# Altium PCB Interface_Card_for_GaN_Inverter.PcbDoc (part 1 of 2) (continued)
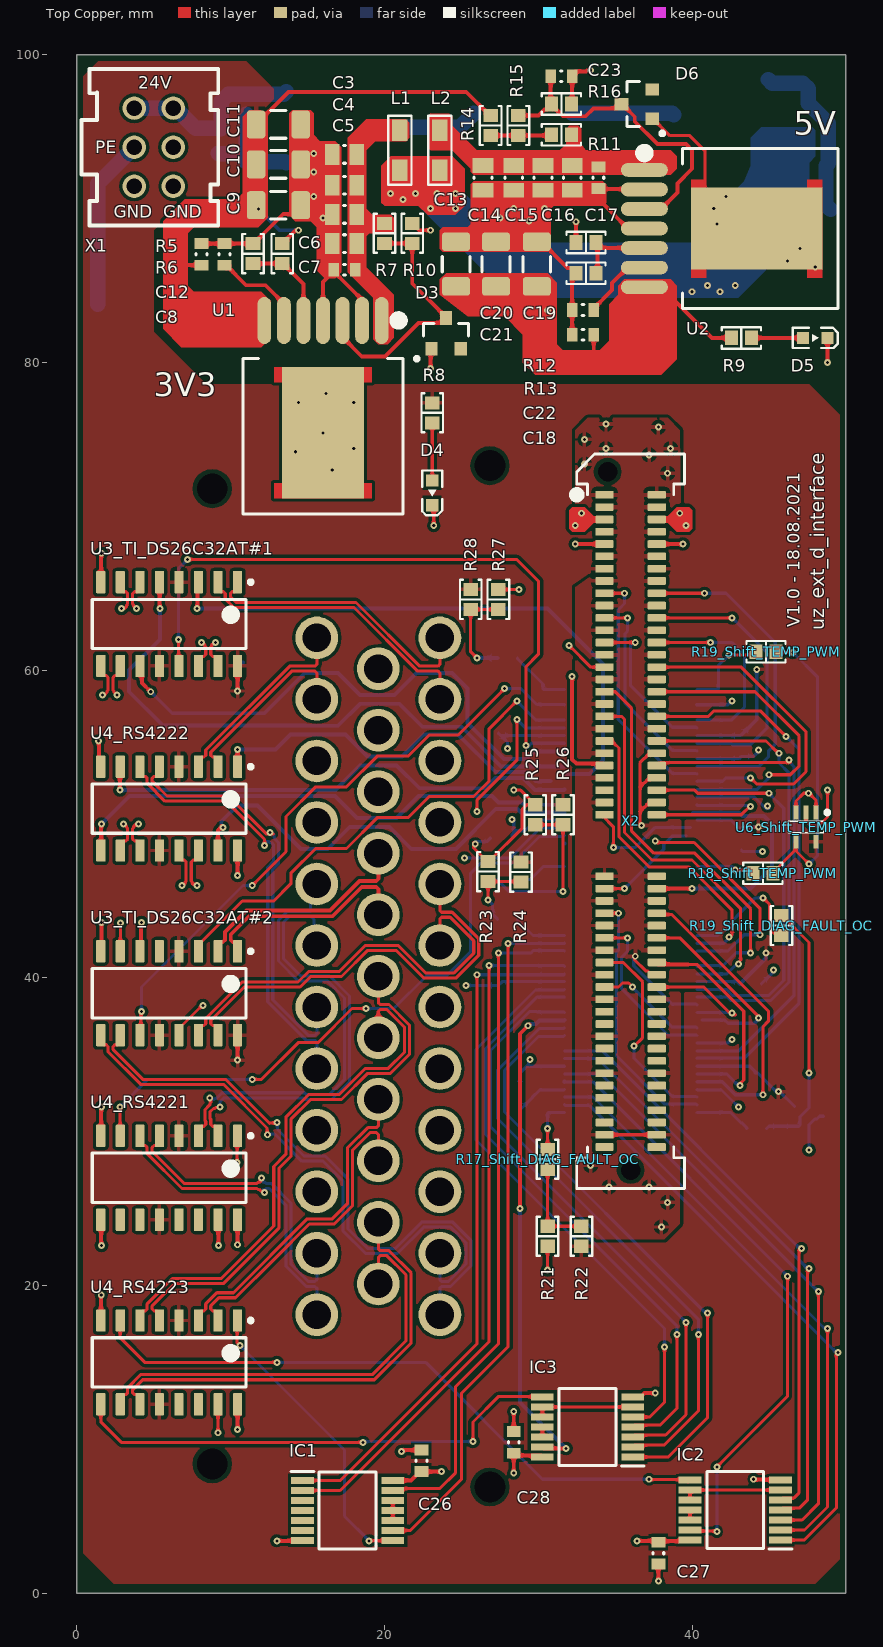
[diagram p0: Top Copper view]
## Footprints (in the part's own frame and the unit in brackets; to place one, negate y for a bottom-side part, rotate by r counter-clockwise, add the part's x,y. Pads: shape width x height; smd on the part's side, far side on the other; paste and mask are expansions set on the pad) (continued)
ATPAK_ONSC [mm] "DPAK, 3-Leads, Body 7.3x6.5mm, Pitch 2.3mm"
  rect 1.6x1.5 smd: 1(-6.15,2.3) 3(-6.15,-2.3)
  rect 6.7x6.5 smd: 4(0,0)
  silkscreen extent -7.62,-3.25 -3.75,3.25, body extent -4.45,-3.25 2.85,3.25, height 1.77
C_0603 [mm] "Chip Capacitor, Body 1.6x0.8mm, Height 1.0mm, IPC High Density"
  rect 0.7x0.9 smd: 1(-0.7,0) 2(0.7,0)
  silkscreen extent -0.05,-0.35 0.05,0.35, body extent -0.87,-0.47 0.88,0.48, height 1
C_1206 [mm]
  rrect33% 1.21x1.82 smd: 1(1.45,0) 2(-1.45,0)
  silkscreen extent -0.5,-0.9 0.5,0.9, body extent -1.6,-0.81 1.6,0.81, height 1.82
CAPC_0805_L [mm] "Chip Capacitor, Body 2.0x1.2mm, Height 1.45mm, IPC High Density"
  rect 0.95x1.35 smd: 1(-0.8,0) 2(0.8,0)
  silkscreen extent -0.05,-0.58 0.05,0.58, body extent -1.1,-0.72 1.1,0.72, height 1.45
DIOM5436X244N [mm]
  rect 2.2x2.15 smd: 1(-2.2,0) 2(2.2,0)
  silkscreen extent -3.27,-1.81 2.7,1.81, body extent -2.7,-1.81 2.7,1.81, height 2.44
HTEC8-150-XX-X-DV [mm]
  rrect30% 0.5x1.2 smd mask+0.05: 1(-21.2,-1.7) 2(-21.2,1.7) 3(-20.4,-1.7) 4(-20.4,1.7) 5(-19.6,-1.7) 6(-19.6,1.7) 7(-18.8,-1.7) 8(-18.8,1.7) 9(-18,-1.7) 10(-18,1.7) 11(-17.2,-1.7) 12(-17.2,1.7) 13(-16.4,-1.7) 14(-16.4,1.7) 15(-15.6,-1.7) 16(-15.6,1.7) 17(-14.8,-1.7) 18(-14.8,1.7) 19(-14,-1.7) 20(-14,1.7) 21(-13.2,-1.7) 22(-13.2,1.7) 23(-12.4,-1.7) 24(-12.4,1.7) 25(-11.6,-1.7) 26(-11.6,1.7) 27(-10.8,-1.7) 28(-10.8,1.7) 29(-10,-1.7) 30(-10,1.7) 31(-9.2,-1.7) 32(-9.2,1.7) 33(-8.4,-1.7) 34(-8.4,1.7) 35(-7.6,-1.7) 36(-7.6,1.7) 37(-6.8,-1.7) 38(-6.8,1.7) 39(-6,-1.7) 40(-6,1.7) 41(-5.2,-1.7) 42(-5.2,1.7) 43(-4.4,-1.7) 44(-4.4,1.7) 45(-3.6,-1.7) 46(-3.6,1.7) 47(-2.8,-1.7) 48(-2.8,1.7) 49(-2,-1.7) 50(-2,1.7) 51(-1.2,-1.7) 52(-1.2,1.7) 53(-0.4,-1.7) 54(-0.4,1.7) 55(3.6,-1.7) 56(3.6,1.7) 57(4.4,-1.7) 58(4.4,1.7) 59(5.2,-1.7) 60(5.2,1.7) 61(6,-1.7) 62(6,1.7) 63(6.8,-1.7) 64(6.8,1.7) 65(7.6,-1.7) 66(7.6,1.7) 67(8.4,-1.7) 68(8.4,1.7) 69(9.2,-1.7) 70(9.2,1.7) 71(10,-1.7) 72(10,1.7) 73(10.8,-1.7) 74(10.8,1.7) 75(11.6,-1.7) 76(11.6,1.7) 77(12.4,-1.7) 78(12.4,1.7) 79(13.2,-1.7) 80(13.2,1.7) 81(14,-1.7) 82(14,1.7) 83(14.8,-1.7) 84(14.8,1.7) 85(15.6,-1.7) 86(15.6,1.7) 87(16.4,-1.7) 88(16.4,1.7) 89(17.2,-1.7) 90(17.2,1.7) 91(18,-1.7) 92(18,1.7) 93(18.8,-1.7) 94(18.8,1.7) 95(19.6,-1.7) 96(19.6,1.7) 97(20.4,-1.7) 98(20.4,1.7) 99(21.2,-1.7) 100(21.2,1.7)
  round 0 hole 1.27 unplated: MH1(-22.7,-1.5) MH2(22.7,0)
  silkscreen extent -23.85,-3.75 23.9,3.5, body extent -23.9,-3.5 23.9,3.5, height 8
IPL1-103-01-L-D-K [mil]
  round 60 hole 40 mask+3: 1(-100,50) 2(0,50) 3(100,50) 4(-100,-50) 5(0,-50) 6(100,-50)
  silkscreen extent -200,-185 200,165, body extent -180,-165 180,145, height 320
Littlefuse_154 [mm]
  rect 4.24x3.81 smd: 1(0,0) 2(6.4,0)
  silkscreen extent 3.17,-1.91 3.17,1.91, body extent -1.66,-2.49 8.04,2.51, height 3.71
"RES 0603_1608" [mm] "Chip Resistor, 2-Leads, Body 1.60x0.80mm, IPC Medium Density"
  rect 0.85x0.95 smd: 1(-0.65,0) 2(0.65,0)
  silkscreen extent -1.27,-0.7 1.27,0.7, body extent -0.8,-0.4 0.8,0.4, height 0.45
SOP65P640X120-14N [mm]
  rect 1.475x0.45 smd: 1(-2.938,1.95) 2(-2.938,1.3) 3(-2.938,0.65) 4(-2.938,0) 5(-2.938,-0.65) 6(-2.938,-1.3) 7(-2.938,-1.95) 8(2.938,-1.95) 9(2.938,-1.3) 10(2.938,-0.65) 11(2.938,0) 12(2.938,0.65) 13(2.938,1.3) 14(2.938,1.95)
  silkscreen extent -3.67,-2.5 1.85,2.52, body extent -3.2,-2.5 3.2,2.5, height 1.2
SOT353-1_N [mm]
  rect 0.9x0.35 smd: 1(-0.95,0.65) 2(-0.95,0) 3(-0.95,-0.65) 4(0.95,-0.65) 5(0.95,0.65)
  silkscreen extent -1.08,-1.14 0.38,1.5, body extent -0.67,-1.12 0.67,1.13, height 1.1
SOT-23-3_ONSC [mm] "SOT23, 3-Leads, Body 2.92x1.3mm, Pitch 0.95mm"
  rect 0.9x0.8 smd: 1(-1,0.95) 2(-1,-0.95) 3(1,0)
  silkscreen extent -1.77,-1.46 0.65,2.03, body extent -0.65,-1.46 0.65,1.46, height 1.11
TI_D-R-PDSO-G16_N [mm] "SOIC, 16-Leads, Body 10x4mm, Pitch 1.27mm, IPC Medium Density"
  rrect17% 1.45x0.6 smd: 1(-2.725,4.445) 2(-2.725,3.175) 3(-2.725,1.905) 4(-2.725,0.635) 5(-2.725,-0.635) 6(-2.725,-1.905) 7(-2.725,-3.175) 8(-2.725,-4.445) 9(2.725,-4.445) 10(2.725,-3.175) 11(2.725,-1.905) 12(2.725,-0.635) 13(2.725,0.635) 14(2.725,1.905) 15(2.725,3.175) 16(2.725,4.445)
  silkscreen extent -2.85,-5 1.6,5.42, body extent -3,-4.95 3,4.95, height 1.59
TI_DGG-R-PDSO-G48N [mm]
  rect 3x0.28 smd mask+0.05: 1(-4.3,5.75) 2(-4.3,5.25) 3(-4.3,4.75) 4(-4.3,4.25) 5(-4.3,3.75) 6(-4.3,3.25) 7(-4.3,2.75) 8(-4.3,2.25) 9(-4.3,1.75) 10(-4.3,1.25) 11(-4.3,0.75) 12(-4.3,0.25) 13(-4.3,-0.25) 14(-4.3,-0.75) 15(-4.3,-1.25) 16(-4.3,-1.75) 17(-4.3,-2.25) 18(-4.3,-2.75) 19(-4.3,-3.25) 20(-4.3,-3.75) 21(-4.3,-4.25) 22(-4.3,-4.75) 23(-4.3,-5.25) 24(-4.3,-5.75) 25(4.3,-5.75) 26(4.3,-5.25) 27(4.3,-4.75) 28(4.3,-4.25) 29(4.3,-3.75) 30(4.3,-3.25) 31(4.3,-2.75) 32(4.3,-2.25) 33(4.3,-1.75) 34(4.3,-1.25) 35(4.3,-0.75) 36(4.3,-0.25) 37(4.3,0.25) 38(4.3,0.75) 39(4.3,1.25) 40(4.3,1.75) 41(4.3,2.25) 42(4.3,2.75) 43(4.3,3.25) 44(4.3,3.75) 45(4.3,4.25) 46(4.3,4.75) 47(4.3,5.25)
  rect 3x0.28 smd paste+0 mask+0.05: 48(4.3,5.75)
  silkscreen extent -4.52,-6.25 2.4,6.25, body extent -4.05,-6.25 4.05,6.25, height 1.2
"WE-CBF_0805_High Current" [mm] "SMD EMI Suppression Ferrite  Bead, body 2.0mmx1.2mm"
  rect 1.4x1 smd: 1(-1.3,0) 2(1.3,0)
  silkscreen extent -2.25,-0.75 2.25,0.75, body extent -1,-0.6 1,0.6, height 0.93
WL-SMCW_0603 [mm] "SMD Mono-color Chip LED, body 1.6x0.8mm"
  rect 0.8x0.8 smd: 1(-0.8,0) 2(0.8,0)
  silkscreen extent -1.45,-0.65 1.45,0.65, body extent -0.8,-0.4 0.8,0.4, height 0.7

## Part data
C1 C3 C4 C5 C6 C13 C14 C15 C16: library part GRM21BR6YA106KE43L, "Capacitor 0805, 35 VDC, 10 µF, X5R", Device Package=0805, Manufacturer=muRata, Operating Temperature="-55 - 85°C", Supplier Part Number 1=81-GRM21BR6YA106KE3L, Tolerance="10 %", Voltage Rating="35 VDC", ComponentLink1Description=Datasheet, ComponentLink1URL=https://www.mouser.de/datasheet/2/281/murata_03052018_GRM_Series_1-1310166.pdf, Component Type="Capacitor 0805", Created from=MGremer, Created On="20 Dec 2020 13:54:13", Last Updated="20 Dec 2020 17:44:37", Live Cycle Status=1, Manufacturer Part Number=GRM21BR6YA106KE43L, Mounting Type=SMD, PartID=28, Series=GRM, Stock number="Labor SMD Container", Supplier 1=Mouser, Type=Capacitor
C2 C7 C17 C23 C24_TI_DS26C32AT#1 C24_TI_DS26C32AT#2 C25_RS4221 C25_RS4222 C25_RS4223 C26 C27 C28 C29_Shift_DIAG_FAULT_OC C29_Shift_TEMP_PWM C30_Shift_DIAG_FAULT_OC C30_Shift_TEMP_PWM C31_Shift_DIAG_FAULT_OC C31_Shift_TEMP_PWM C32_Shift_DIAG_FAULT_OC C32_Shift_TEMP_PWM: library part C0603X104K5RAC7411, "Capacitor 0603, 50 VDC, 0.1 µF, X7R", Device Package=0603, LCSC Part Number=C14663, Manufacturer=KEMET, Operating Temperature="-55 - 125°C", Supplier Part Number 1=80-C0603X104K5R7411, Tolerance="10 %", Voltage Rating="50 VDC", Component Type="Capacitor 0603", ComponentLink1Description=Datasheet, ComponentLink1URL=https://www.mouser.de/datasheet/2/212/1/KEM_C1013_X7R_FT_CAP_SMD-1103280.pdf, Created from=MGremer, Live Cycle Status=1, Manufacturer Part Number=C0603X104K5RAC7411, Mounting Type=SMD, PartID=3, Series="SMD Comm X7R Flex", Stock number="Labor SMD Container", Supplier 1=Mouser, Supplier 2=LCSC, Supplier Part Number 2=C14663, Type=Capacitor
  C2 C23 C24_TI_DS26C32AT#1 C24_TI_DS26C32AT#2: Created On="20 Dec 2020 13:54:13", Last Updated="4 Mar 2021 09:24:28"
  C7 C17 C25_RS4221 C25_RS4222 C25_RS4223 C26 C27 C28 C29_Shift_DIAG_FAULT_OC C29_Shift_TEMP_PWM C30_Shift_DIAG_FAULT_OC C30_Shift_TEMP_PWM C31_Shift_DIAG_FAULT_OC C31_Shift_TEMP_PWM C32_Shift_DIAG_FAULT_OC C32_Shift_TEMP_PWM: Created On="20.12.2020 13:54:13", Last Updated="04.03.2021 09:24:28"
C8 C18: library part C0603C474K4RAC, "Capacitor 0603, 16 VDC, 470 nF, X5R", Device Package=0603, Manufacturer=KEMET, Operating Temperature="-55 - 125°C", Supplier Part Number 1=80-C0603C474K4RAC, Tolerance="10 %", Voltage Rating="16 VDC", ComponentLink1Description=Datasheet, ComponentLink1URL=https://www.mouser.de/datasheet/2/212/KEM_C1006_X5R_SMD-1103249.pdf, Component Type="Capacitor 0603", Created from=MGremer, Created On="20 Dec 2020 13:54:13", Last Updated="6 Jan 2021 08:39:36", Live Cycle Status=1, Manufacturer Part Number=C0603C474K4RAC, Mounting Type=SMD, PartID=31, Series="SMD Comm X7R", Stock number="Labor SMD Container", Supplier 1=Mouser, Type=Capacitor
C9 C10 C11 C19 C20 C21: library part GRM31CR60J107KE39K, "Capacitor 1206, 6.3 VDC, 100 µF, X5R", Device Package=1206, Manufacturer="Murata Electronics", Operating Temperature="-55 - 85°C", Supplier Part Number 1=81-GRM31CR60J107KE9K, Tolerance="10 %", Voltage Rating="6.3 VDC", ComponentLink1Description=Datasheet, ComponentLink1URL=https://www.mouser.de/datasheet/2/281/murata_03052018_GRM_Series_1-1310166.pdf, Component Type="Capacitor 1206", Created from=MGremer, Created On="20.12.2020 13:54:13", Last Updated="20.12.2020 16:34:30", Live Cycle Status=1, Manufacturer Part Number=GRM31CR60J107KE39K, Mounting Type=SMD, PartID=64, Series=GRM, Stock number="Labor SMD Container", Supplier 1=Mouser, Type=Capacitor
C12 C22: library part 885012206048, "Capacitor 0603, 16 VDC, 220 nF, X7R", Device Package=0603, Manufacturer="Wurth Elektronik", Operating Temperature="-55 - 125°C", Supplier Part Number 1=2507331, Tolerance="10 %", Voltage Rating="16 VDC", ComponentLink1Description=Datasheet, ComponentLink1URL=http://www.farnell.com/datasheets/1995922.pdf, Component Type="Capacitor 0603", Created from=MGremer, Created On="20 Dec 2020 13:54:13", Last Updated="20 Jan 2021 13:57:36", Live Cycle Status=1, Manufacturer Part Number=885012206048, Mounting Type=SMD, PartID=59, Series="WCAP-CSGP Series", Stock number="not stored", Supplier 1=Farnell, Type=Capacitor
C33 C34: library part 885342008009, "Capacitor 1206, 1 kVDC, 100 pF, C0G", Device Package=1206, Manufacturer="Wuerth Elektronik", Operating Temperature="-55 - 125°C", Supplier Part Number 1=710-885342008009, Tolerance="5 %", Voltage Rating="1 kVDC", ComponentLink1Description=Datasheet, ComponentLink1URL=https://www.mouser.de/datasheet/2/445/885342008009-1727900.pdf, Component Type="Capacitor 1206", Created from=MGremer, Created On="20.12.2020 13:54:13", Last Updated="20.12.2020 17:44:37", Live Cycle Status=1, Manufacturer Part Number=885342008009, Mounting Type=SMD, PartID=62, Series=WCAP-CSMH, Stock number="Labor SMD Container", Supplier 1=Mouser, Type=Capacitor
D1: "Zener Diode, 15 V, 0.35 W", Device Package=SOT-23-3, Manufacturer="On Semiconductor", Operating Temperature="-55 - 150 °C", Power loss="350 mW", Supplier Part Number 1=512-BZX84C15, ComponentLink1Description=Datasheet, ComponentLink1URL=https://www.mouser.de/datasheet/2/308/BZX84C15-1118669.pdf, Component Type="Zener Diode", Created from=MGremer, Created On="6 Jan 2021 09:28:59", Last Updated="6 Jan 2021 09:31:42", Live Cycle Status=1, Manufacturer Part Number=BZX84C15, Mounting Type=SMD, PartID=2, Series=BZX84C15, Stock number="not stored", Supplier 1=Mouser, Type="Zener Diode", Zener Impedance="30 Ohm"
D2: "TVS Diode 30V 600W SMB unidirectional / ESD suppressor", Device Package=DO-214AA-2, Manufacturer="ON Semiconductor / Fairchild", Operating Temperature="-55 - 150°C", Supplier Part Number 1=512-SMBJ30A, ComponentLink1Description=Datasheet, ComponentLink1URL=https://www.mouser.de/datasheet/2/308/SMBJ30A-1297653.pdf, Component Type="TVS Diode", Created from=PBaumann, Created On="05.03.2021 11:12:07", Last Updated="05.03.2021 11:15:51", Live Cycle Status=1, Manufacturer Part Number=SMBJ30A, Mounting Type=SMD, PartID=3, Series=SMBJ, Supplier 1=Mouser, Type=TVS-Diode
D3 D6: library part BZX84C5V1-E3-08, "Zener Diode, 5.1 V, 0.35 W, 5 %", Device Package=SOT-23-3, Manufacturer="Vishay Semiconductors", Operating Temperature="-55 - 150 °C", Power loss="300 mW", Supplier Part Number 1=78-BZX84C5V1-E3-08, ComponentLink1Description=Datasheet, ComponentLink1URL=https://www.mouser.de/datasheet/2/427/bzx84v-1767730.pdf, Component Type="Zener Diode", Created from=MGremer, Created On="6 Jan 2021 09:28:59", Last Updated="6 Jan 2021 09:31:42", Live Cycle Status=1, Manufacturer Part Number=BZX84C5V1-E3-08, Mounting Type=SMD, PartID=1, Series=BZX84, Stock number="not stored", Supplier 1=Mouser, Type="Zener Diode", Zener Impedance="60 Ohm"
D4: "WL-SMCW SMD Mono-color Chip LED Waterclear Red", Color=red, Device Package=0603, Forward Current I_f="20 mA", Forward Voltage U_f="2 V", Manufacturer="Wuerth Elektronik", Nominal Power="48 mW", Operating Temperature="-40 - 85 °C", Supplier Part Number 1=710-150060RS86000, ComponentLink1Description=Datasheet, ComponentLink1URL=https://www.mouser.de/datasheet/2/445/150120RS75000-1714636.pdf, Component Type="LED Diode", Created from=MGremer, Created On="8 Dec 2020 10:48:12", Last Updated="3 Mar 2021 09:59:52", Light Intensity="800 mcd", Live Cycle Status=1, Manufacturer Part Number=150060RS86000, Mounting Type=SMD, PartID=3, Stock number="not stored", Supplier 1=Mouser, Supplier 2=Farnell, Supplier 3=Digi-Key, Supplier Part Number 2=3408608, Supplier Part Number 3=732-150060RS86000CT-ND, Type=Standard, Wavelength="624 nm"
D5: "WL-SMCW SMD Mono-color Chip LED Waterclear Blue", Color=blue, Device Package=0603, Forward Current I_f="20 mA", Forward Voltage U_f="3.2 V", Manufacturer="Wuerth Elektronik", Nominal Power="78 mW", Operating Temperature="-40 - 85 °C", Supplier Part Number 1=710-150060BS84000, ComponentLink1Description=Datasheet, ComponentLink1URL=https://www.mouser.de/datasheet/2/445/150060BS84000-1838909.pdf, Component Type="LED Diode", Created from=MGremer, Created On="8 Dec 2020 10:19:38", Last Updated="3 Mar 2021 09:59:51", Light Intensity="560 mcd", Live Cycle Status=1, Manufacturer Part Number=150060BS84000, Mounting Type=SMD, PartID=1, Stock number="not stored", Supplier 1=Mouser, Supplier 2=Farnell, Supplier 3=Digi-Key, Supplier Part Number 2=3408611, Supplier Part Number 3=732-150060BS84000CT-ND, Type=Standard, Wavelength="470 nm"
F1: library part 0154005.DR, "Fuse OMNI BLOK 154", Device Package=OMNI-BLOK, Manufacturer=Littlefuse, Nominal current="5 A", Nominal voltage AC="125 VAC", Nominal voltage DC="125 VDC", Operating Temperature="-55 - 125 °C", Resistance="12.5 mOhm", Supplier Part Number 1=576-0154005.DR, ComponentLink1Description=Datasheet, ComponentLink1URL=https://www.mouser.de/datasheet/2/240/Littelfuse_Fuse_154_154T_154L_154TL_Datasheet_pdf-365375.pdf, Component Type="NAN02 - 154 OMNI-BLOK", Created from=MGremer, Created On="7 Jan 2021 10:17:19", Last Updated="7 Jan 2021 10:17:19", Live Cycle Status=1, Manufacturer Part Number=0154005.DR, Mounting Type=SMD, PartID=1, Series=154, Supplier 1=Mouser, Type=Fuse
IC1 IC2 IC3: "Triple 3-Input, Positive, AND-Gate", Device Package=TSSOP-14, Manufacturer="Texas Instruments", Mouser Part Number=595-SN74AC11PWR, Operating Temperature="-40 - 85 °C", Arrow Part Number=SN74AC11PWR, Arrow Price/Stock=https://www.arrow.com/en/products/sn74ac11pwr/texas-instruments, ComponentLink1Description=Datasheet, ComponentLink1URL=https://www.ti.com/lit/ds/symlink/sn74ac11.pdf?HQS=dis-mous-null-mousermode-dsf-pf-null-wwe&ts=1623656552649&ref_url=https%253A%252F%252Fwww.mouser.de%252F, Component Type="AND - Gate", Created from=PBaumann, Created On="14.06.2021 09:55:45", Datasheet Link=http://www.ti.com/lit/gpn/sn74ac11, Height=1.2mm, Last Updated="16.08.2021 08:51:32", Live Cycle Status=1, Manufacturer_Name="Texas Instruments", Manufacturer_Part_Number=SN74AC11PWR, Manufacturer Part Number=SN74AC11PWR, Mounting Type=SMD, Mouser Price/Stock=https://www.mouser.co.uk/ProductDetail/Texas-Instruments/SN74AC11PWR?qs=6aLkNDRfRUYvDd0czuatlw%3D%3D, PartID=10, Series=SN74AC11, Stock number="not stored", Supplier 1=Mouser, Supplier Part Number 1=595-SN74AC11PWR, Type=AND-Gate
J2: "Header Assembly, 35 Pos, vertical", Device Package=Connector, Manufacturer="TE Connectivity", ComponentLink1Description=Datasheet, ComponentLink1URL=https://www.onlinecomponents.com/en/datasheet/7762301-10491975/, Component Type="Header Assembly", Created from=MGremer, Created On="26 Jan 2021 09:32:56", Last Updated="19 Feb 2021 17:01:41", Live Cycle Status=1, Manufacturer Part Number=1-776231-1, Mounting Type=THT, Number of positions=35, Number of rows=3, PartID=31, Stock number="not stored", Supplier 1="TE Connectivity", Supplier 2=RSComponents, Supplier Part Number 1=1-776231-1, Supplier Part Number 2=718-1478, Type="Header Assembly"
L1 L2: library part 742792040, "Inductance, 0805, 100 MHz, 600 Ohm, 2 A", DC current="2 A", Device Package=0805, Manufacturer="Wurth Elektronik", Operating Temperature="-55 - 125 °C", Supplier Part Number 1=710-742792040, ComponentLink1Description=Datasheet, ComponentLink1URL=https://www.mouser.de/datasheet/2/445/742792040-1720361.pdf, Component Type=Inductance, Created from=MGremer, Created On="18 Jan 2021 14:53:17", Last Updated="18 Jan 2021 14:53:25", Live Cycle Status=1, Manufacturer Part Number=742792040, Mounting Type=SMD, PartID=1, Series=WE-CBF, Stock number="not stored", Supplier 1=Mouser, Type="Inductance SMD"
R1 R2 R3 R4 R15: library part RK73B1JTTD473J, "SMD resistor E24 series", Device Package=0603, Manufacturer="KOA Speer", Supplier Part Number 1=660-RK73B1JTTD473J, Tolerance=5%, ComponentLink1Description=Datasheet, ComponentLink1URL=https://www.mouser.de/datasheet/2/219/RK73B-1825463.pdf, Component Type="SMD resistor", Created from=MGremer, Created On="14 Dec 2020 16:17:14", Last Updated="2 Mar 2021 14:07:32", Live Cycle Status=1, Manufacturer Part Number=RK73B1JTTD473J, Mounting Type=SMD, PartID=114, Stock number="Labor SMD Container", Supplier 1=Mouser, Type=Resistor
R5: library part RK73B1JTTD472J, "SMD resistor E24 series", Device Package=0603, Manufacturer="KOA Speer", Supplier Part Number 1=660-RK73B1JTTD472J, Tolerance=5%, ComponentLink1Description=Datasheet, ComponentLink1URL=https://www.mouser.de/datasheet/2/219/RK73B-1825463.pdf, Component Type="SMD resistor", Created from=MGremer, Created On="14 Dec 2020 16:17:14", Last Updated="2 Mar 2021 14:07:32", Live Cycle Status=1, Manufacturer Part Number=RK73B1JTTD472J, Mounting Type=SMD, PartID=90, Stock number="Labor SMD Container", Supplier 1=Mouser, Type=Resistor
R6: library part RK73B1JTTD152J, "SMD resistor E24 series", Device Package=0603, Manufacturer="KOA Speer", Supplier Part Number 1=660-RK73B1JTTD152J, Tolerance=5%, ComponentLink1Description=Datasheet, ComponentLink1URL=https://www.mouser.de/datasheet/2/219/RK73B-1825463.pdf, Component Type="SMD resistor", Created from=MGremer, Created On="14 Dec 2020 16:17:14", Last Updated="2 Mar 2021 14:07:32", Live Cycle Status=1, Manufacturer Part Number=RK73B1JTTD152J, Mounting Type=SMD, PartID=78, Stock number="Labor SMD Container", Supplier 1=Mouser, Type=Resistor
R7: library part RK73B1JTTD104J, "SMD resistor E24 series", Device Package=0603, Manufacturer="KOA Speer", Supplier Part Number 1=660-RK73B1JTTD104J, Tolerance=5%, Component Type="SMD resistor", ComponentLink1Description=Datasheet, ComponentLink1URL=https://www.mouser.de/datasheet/2/219/RK73B-1825463.pdf, Created from=MGremer, Created On="14.12.2020 16:17:14", Last Updated="02.03.2021 14:07:32", Live Cycle Status=1, Manufacturer Part Number=RK73B1JTTD104J, Mounting Type=SMD, PartID=122, Stock number="Labor SMD Container", Supplier 1=Mouser, Type=Resistor
R8 R9: library part RK73B1JTTDD221J, "SMD resistor E24 series", Device Package=0603, Manufacturer="KOA Speer", Supplier Part Number 1=660-RK73B1JTTDD221J, Tolerance=5%, Component Type="SMD resistor", ComponentLink1Description=Datasheet, ComponentLink1URL=https://www.mouser.de/datasheet/2/219/RK73B-1825463.pdf, Created from=MGremer, Created On="14.12.2020 16:17:14", Last Updated="02.03.2021 14:07:32", Live Cycle Status=1, Manufacturer Part Number=RK73B1JTTDD221J, Mounting Type=SMD, PartID=58, Stock number="Labor SMD Container", Supplier 1=Mouser, Type=Resistor
R10 R16: library part RK73B1JTTD203J, "SMD resistor E24 series", Device Package=0603, Manufacturer="KOA Speer", Supplier Part Number 1=660-RK73B1JTTD203J, Tolerance=5%, Component Type="SMD resistor", ComponentLink1Description=Datasheet, ComponentLink1URL=https://www.mouser.de/datasheet/2/219/RK73B-1825463.pdf, Created from=MGremer, Created On="14.12.2020 16:17:14", Last Updated="02.03.2021 14:07:32", Live Cycle Status=1, Manufacturer Part Number=RK73B1JTTD203J, Mounting Type=SMD, PartID=105, Stock number="Labor SMD Container", Supplier 1=Mouser, Type=Resistor
R11 R14 R21 R22 R23 R24 R25 R26 R27 R28: library part RC0603JR-070RL, "SMD resistor E24 series", Device Package=0603, LCSC Part Number=C21189, Manufacturer=YAGEO, Supplier Part Number 1=603-RC0603JR-070RL, Tolerance=5%, Component Type="SMD resistor", ComponentLink1Description=Datasheet, ComponentLink1URL=https://www.mouser.de/datasheet/2/447/PYu-RC_Group_51_RoHS_L_10-1664068.pdf, Created from=MGremer, Live Cycle Status=1, Manufacturer Part Number=RC0603JR-070RL, Mounting Type=SMD, PartID=1, Stock number="Labor SMD Container", Supplier 1=Mouser, Supplier 2=LCSC, Supplier Part Number 2=C21189, Type=Resistor
  R11 R14: Created On="14 Dec 2020 16:17:14", Last Updated="4 Mar 2021 09:09:42"
  R21 R22 R23 R24 R25 R26 R27 R28: Created On="14.12.2020 16:17:14", Last Updated="04.03.2021 09:09:42"
R12 R17_Shift_DIAG_FAULT_OC R17_Shift_TEMP_PWM R18_Shift_DIAG_FAULT_OC R18_Shift_TEMP_PWM R19_Shift_DIAG_FAULT_OC R19_Shift_TEMP_PWM R20_Shift_DIAG_FAULT_OC R20_Shift_TEMP_PWM: library part RK73B1JTTD103J, "SMD resistor E24 series", Device Package=0603, Manufacturer="KOA Speer", Supplier Part Number 1=660-RK73B1JTTD103J, Tolerance=5%, ComponentLink1Description=Datasheet, ComponentLink1URL=https://www.mouser.de/datasheet/2/219/RK73B-1825463.pdf, Component Type="SMD resistor", Created from=MGremer, Created On="14 Dec 2020 16:17:14", Last Updated="2 Mar 2021 14:07:32", Live Cycle Status=1, Manufacturer Part Number=RK73B1JTTD103J, Mounting Type=SMD, PartID=98, Stock number="Labor SMD Container", Supplier 1=Mouser, Type=Resistor
R13: library part ERA-3ARB1911V, "SMD resistor 1%", Device Package=0603, Manufacturer=Panasonic, Supplier Part Number 1=667-ERA-3ARB1911V, Tolerance=1%, ComponentLink1Description=Datasheet, ComponentLink1URL=https://www.mouser.de/datasheet/2/315/AOA0000C307-1149632.pdf, Component Type="SMD resistor", Created from=MGremer, Created On="14 Dec 2020 16:17:14", Last Updated="2 Mar 2021 14:07:32", Live Cycle Status=1, Manufacturer Part Number=ERA-3ARB1911V, Mounting Type=SMD, PartID=158, Stock number="not stored", Supplier 1=Mouser, Type=Resistor
T1 T2: library part ATP108-TL-H, "P-Channel Power MOSFET, 1 CH, 40 V, 70 A, 10.4 mOhm", Device Package=ATPAK-3, Drain DC Current="70 A", Drain Source Voltage="40 V", Manufacturer="ON Semiconductor", Operating Temperature="-55 - 150 °C", Power Dissipation="60 W", RDS On Resistance="10.4 mOhm", Supplier Part Number 1=863-ATP108-TL-H, ComponentLink1Description=Datasheet, ComponentLink1URL=https://www.mouser.de/datasheet/2/308/ENA1604-D-1804464.pdf, Component Type="P-Channel Power MOSFET", Created from=MGremer, Created On="7 Jan 2021 09:33:49", Last Updated="13 Mar 2021 17:40:15", Live Cycle Status=1, Manufacturer Part Number=ATP108-TL-H, Mounting Type=SMD, Number Of Channels=1, PartID=1, Series=ATP108, Supplier 1=Mouser, Type="P-Channel Power MOSFET"
U1 U2: "Not isolated DCDC Converter 0.8 - 6 V Output, 5 A, 6 - 36 V Input", Device Package=TO-263-EP-7, Manufacturer="Wuerth Elektronik", Supplier Part Number 1=710-171050601, ComponentLink1Description=Datasheet, ComponentLink1URL=https://www.mouser.de/datasheet/2/445/171050601-1716256.pdf, Component Type="Not isolated DCDC Converter", Created from=MGremer, Created On="6 Jan 2021 09:48:37", Last Updated="15 Feb 2021 10:14:22", Live Cycle Status=1, Manufacturer Part Number=171050601, Mounting Type=SMD, PartID=1, Series=MagI3C-VDRM, Stock number="not stored", Supplier 1=Mouser, Type="not isolated DCDC converter"
U3_TI_DS26C32AT#1 U3_TI_DS26C32AT#2: "3V Enhanced CMOS Quad Differential Line Receiver, 16-pin Narrow SOIC, Pb-Free", Device Package=SOIC, LCSC Part Number=C59861, Manufacturer="Texas Instruments", Operating Temperature="-40°C - 85°C", Supplier Part Number 1=926-DS26LV32ATM/NOPB, Component Type="RS422 Receiver", ComponentLink1Description=Datasheet, ComponentLink1URL=http://www.ti.com/general/docs/lit/getliterature.tsp?genericPartNumber=DS26LV32AT&fileType=pdf, Created from="T. Wendt", Created On="01.03.2021 10:35:45", Last Updated="04.03.2021 09:04:43", Live Cycle Status=1, Manufacturer Part Number=DS26LV32ATM/NOPB, Minimum Order=1, Mounting Type=SMD, PartID=2, Series=DS26LV32, Stock number="not stored", Supplier 1=Mouser, Supplier 2=Mouser, Supplier 3=LCSC, Supplier Part Number 2=926-DS26LV32ATMXNOPB, Supplier Part Number 3=C59861, Type=Standard
U4_RS4221 U4_RS4222 U4_RS4223: "CMOS Quad Tri-State Differential Line Drivers, 16-pin Narrow SOIC, Pb-Free", Device Package=SOIC, LCSC Part Number=C132085, Manufacturer="Texas Instruments", Operating Temperature="-40°C - 85°C", Supplier Part Number 1=DS26C31TMX/NOPBCT-ND, Component Type="RS422 Driver", ComponentLink1Description=Datasheet, ComponentLink1URL=http://www.ti.com/general/docs/lit/getliterature.tsp?genericPartNumber=DS26C31T&fileType=pdf, Created from="T. Wendt", Created On="01.03.2021 10:08:45", Last Updated="04.03.2021 09:04:43", Live Cycle Status=1, Manufacturer Part Number=DS26C31TMX/NOPB, Minimum Order=1, Mounting Type=SMD, PartID=1, Series=DS26C31, Stock number="not stored", Supplier 1=Digi-Key, Supplier 2=Mouser, Supplier 3=LCSC, Supplier Part Number 2=926-DS26C31TMX/NOPB, Supplier Part Number 3=C132085, Type=Standard
U5_Shift_DIAG_FAULT_OC U5_Shift_TEMP_PWM: "16-Bit Dual supply Bus Transceiver with configurable Level Shifter and Tri State Output", Device Package=TSSOP-48, LCSC Part Number=C352975, Manufacturer="Texas Instruments", Operating Temperature="-40 - 85 °C", Supplier Part Number 1=595-SN74LVCH16T245GR, Component Type="Level Shifter", ComponentLink1Description=Datasheet, ComponentLink1URL=https://www.ti.com/lit/ds/symlink/sn74lvch16t245.pdf?HQS=dis-mous-null-mousermode-dsf-pf-null-wwe&ts=1610963085859&ref_url=https%253A%252F%252Fwww.mouser.it%252F, Created from="T. Wendt", Created On="01.03.2021 11:28:41", Last Updated="04.03.2021 09:07:38", Live Cycle Status=1, Manufacturer Part Number=SN74LVCH16T245DGGR, Mounting Type=SMD, PartID=4, Stock number="not stored", Supplier 1=Mouser, Supplier 2=LCSC, Supplier Part Number 2=C352975, Type=Standard
U6_Shift_DIAG_FAULT_OC U6_Shift_TEMP_PWM: "Inverting Schmitt trigger", Device Package=TSSOP-5, LCSC Part Number=C282410, Manufacturer=Nexperia, Operating Temperature="-40 - 125 °C", Supplier Part Number 1=771-74AHC1G14GW-G, Component Type="Inverting Schmitt trigger", ComponentLink1Description=Datasheet, ComponentLink1URL=https://www.mouser.de/datasheet/2/916/74AHC_AHCT1G14-1319577.pdf, Created from=MGremer, Created On="19.01.2021 10:03:39", Last Updated="04.03.2021 09:06:25", Live Cycle Status=1, Manufacturer Part Number=74AHC1G14GW,125, Mounting Type=SMD, PartID=1, Series=74AHC, Stock number="not stored", Supplier 1=Mouser, Supplier 2=LCSC, Supplier Part Number 2=C282410, Type="Schmitt trigger"
X1: "2.54 mm Double Row Terminal Assembly", Device Package=Connector, Manufacturer=SAMTEC, ComponentLink1Description=Homepage, ComponentLink1URL=https://www.samtec.com/products/ipl1, Component Type="Samtec Connector", Created from=MGremer, Created On="30.11.2020 09:51:53", Last Updated="01.04.2021 08:14:22", Live Cycle Status=1, Manufacturer Part Number=IPL1-103-01-L-D-K, Mounting Type=THT, Number of positions=3, Number of rows=2, PartID=4, Stock number="not stored", Supplier 1=SAMTEC, Supplier 2=Digi-Key, Supplier Part Number 1=IPL1-103-01-L-D-K, Supplier Part Number 2=SAM9097-ND, Type=Connector
X2: "HTEC8-150-01-L-DV-K mating connector for card layout", Device Package=SMD, Manufacturer=SAMTEC, ComponentLink1Description=Homepage, ComponentLink1URL=https://www.samtec.com/de/products/htec8-150-01-l-dv, Component Type="Board to Board Connector", Created from=MGremer, Created On="26.02.2021 16:36:12", Last Updated="18.08.2021 09:39:43", Live Cycle Status=1, Manufacturer Part Number=HTEC8-150-01-L-DV-K, Mounting Type=SMD, Number of positions=100, Number of rows=2, PartID=7, Series=HTEC, Stock number="not stored", Supplier 1=SAMTEC, Supplier Part Number 1=HTEC8-150-01-L-DV-K, Type="Board to Board Connector"

## Via types
v1: diameter 0.45, hole 0.2, Top Copper to Bottom Copper, 215 vias

## Nets (pads, with @x,y where several pads share a name; then routed paths per layer and width w, separated by ;. In a path a pad name is that pad's centre, name@x,y a point inside that pad or via, vN(x,y) a via of type N, cw(c..) or ccw(c..) an arc to the next point about the centre after c; other vN are vias at no path point)
1A1_Shift_DIAG_FAULT_OC: U5_Shift_DIAG_FAULT_OC.47 X2.61 | length 16.8
  Top Copper w0.2: X2.61@34.3,44.2 v1(35.2,44.2)
  Bottom Copper w0.2: v1(35.2,44.2) 35.2,41.788 35.088,41.676 35.088,34.912 38.21,31.79 40.26,31.79 U5_Shift_DIAG_FAULT_OC.47@40.3,31.75
1A1_Shift_TEMP_PWM: U5_Shift_TEMP_PWM.47
1A2_Shift_DIAG_FAULT_OC: U5_Shift_DIAG_FAULT_OC.46 X2.69 | length 13.3
  Top Copper w0.2: X2.69@34.3,41 35.519,41 36.779,39.74 36.779,36.112 v1(36.223,35.556)
  Bottom Copper w0.2: v1(36.223,35.556) 36.223,34.763 38.696,32.29 40.26,32.29 U5_Shift_DIAG_FAULT_OC.46@40.3,32.25
1A2_Shift_TEMP_PWM: U5_Shift_TEMP_PWM.46
1A3_Shift_DIAG_FAULT_OC: U5_Shift_DIAG_FAULT_OC.44 X2.62 | length 20.1
  Top Copper w0.2: X2.62@37.781,44.119 38.681,44.119 44.954,37.846 44.954,37.171 44.6,36.817 v1(44.6,32.4)
  Top Copper w0.254: X2.62@37.7,44.2 X2.62@37.781,44.119
  Bottom Copper w0.2: U5_Shift_DIAG_FAULT_OC.44@40.3,33.242 41.958,33.242 42.8,32.4 v1(44.6,32.4)
1A3_Shift_TEMP_PWM: U5_Shift_TEMP_PWM.44 X2.57 | length 6.9
  Top Copper w0.2: X2.57@34.3,45.8 v1(35.6,45.8)
  Bottom Copper w0.2: v1@35.628,45.828 38.154,48.354 38.154,48.668 38.696,49.21 39.568,49.21 U5_Shift_TEMP_PWM.44@39.595,49.237
  Bottom Copper w0.254: v1(35.6,45.8) v1@35.628,45.828
1A4_Shift_DIAG_FAULT_OC: U5_Shift_DIAG_FAULT_OC.43 X2.70 | length 15
  Top Copper w0.2: 39.744,40.877 40.306,40.877 43.354,37.829 43.354,33.354 v1@43,33
  Top Copper w0.254: X2.70@37.7,41 37.823,40.877 39.744,40.877
  Bottom Copper w0.2: U5_Shift_DIAG_FAULT_OC.43@40.3,33.75 42.25,33.75 v1@43,33
  other v1: 43.1,33
1A4_Shift_TEMP_PWM: U5_Shift_TEMP_PWM.43 X2.53 | length 8
  Top Copper w0.2: X2.53@34.2,50.5 34.875,49.825 v1(34.875,48.475)
  Top Copper w0.254: X2.53@34.2,50.5 X2.53@34.3,50.6
  Bottom Copper w0.2: v1(34.875,48.475) 36.294,48.475 37.602,49.783 U5_Shift_TEMP_PWM.43@39.883,49.783
1A5_Shift_DIAG_FAULT_OC: U5_Shift_DIAG_FAULT_OC.41 X2.38 | length 35.1
  Top Copper w0.2: X2.38@37.7,57 41.063,57 41.417,57.354 44.429,57.354 46.083,55.7 v1@46.2,55.7
  Bottom Copper w0.2: U5_Shift_DIAG_FAULT_OC.41@40.3,34.75 40.325,34.775 43.375,34.775 46.954,38.354 46.954,54.846 46.2,55.6 v1@46.2,55.7
  other v1: 46.1,55.7
1A5_Shift_TEMP_PWM: U5_Shift_TEMP_PWM.41 X2.58 | length 16.3
  Top Copper w0.254: X2.58@37.7,45.8 37.8,45.8 v1(40,45.8)
  Bottom Copper w0.254: v1(40,45.8) 43.8,45.8 45.181,47.181 45.181,50.019 44.803,50.397 44.677,50.523 43.277,50.523 43.083,50.717 U5_Shift_TEMP_PWM.41@40.066,50.717
1A6_Shift_DIAG_FAULT_OC: U5_Shift_DIAG_FAULT_OC.40 X2.46 | length 31.8
  Top Copper w0.2: X2.46@37.7,53.8 37.9,54 v1@46.4,54
  Bottom Copper w0.2: U5_Shift_DIAG_FAULT_OC.40@40.3,35.25 43.033,35.25 46.608,38.825 46.608,53.738 46.4,53.946 v1@46.4,54
  other v1: 46.3,54.15
1A6_Shift_TEMP_PWM: U5_Shift_TEMP_PWM.40 X2.54 | length 9.9
  Top Copper w0.2: X2.54@37.7,50.6 43.2,50.6 v1@43.8,51.2
  Bottom Copper w0.2: U5_Shift_TEMP_PWM.40@40.3,51.25 40.34,51.21 42.006,51.21 42.016,51.2 v1@43.8,51.2
  other v1: 43.8,51.15
1A7_Shift_DIAG_FAULT_OC: U5_Shift_DIAG_FAULT_OC.38 X2.65 | length 11.1
  Top Copper w0.2: X2.65@34.3,42.6 v1(35.8,42.6)
  Bottom Copper w0.2: v1(35.8,42.6) 35.8,41.719 35.415,41.333 35.415,39.299 38.432,36.281 40.269,36.281 U5_Shift_DIAG_FAULT_OC.38@40.3,36.25
1A7_Shift_TEMP_PWM: U5_Shift_TEMP_PWM.38 X2.34 | length 19.8
  Top Copper w0.2: X2.34@37.7,58.6 44.083,58.6 46.954,55.729 46.954,53.771 46.383,53.2 v1(45,53.2)
  Bottom Copper w0.2: U5_Shift_TEMP_PWM.38@40.3,52.25 40.304,52.254 44.237,52.254 45,53.017 v1(45,53.2)
1A8_Shift_DIAG_FAULT_OC: U5_Shift_DIAG_FAULT_OC.37 X2.73 | length 7.3
  Top Copper w0.2: X2.73@34.3,39.4 35.21,39.4 35.469,39.659 35.874,39.659 v1(36.132,39.4)
  Bottom Copper w0.2: v1(36.132,39.4) 36.132,39.353 38.696,36.79 40.26,36.79 U5_Shift_DIAG_FAULT_OC.37@40.3,36.75
1A8_Shift_TEMP_PWM: U5_Shift_TEMP_PWM.37 X2.30 | length 21.7
  Top Copper w0.2: X2.30@37.7,60.2 43.2,60.2 47.4,56 47.4,53.4 46.6,52.6 44.2,52.6 v1(43.8,53)
  Bottom Copper w0.2: U5_Shift_TEMP_PWM.37@40.3,52.75 40.34,52.79 42.007,52.79 42.217,53 v1(43.8,53)
1B1_Shift_DIAG_FAULT_OC: IC2.1 U5_Shift_DIAG_FAULT_OC.2 | length 39
  Top Copper w0.2: IC2.1@45.738,3.45 47.292,3.45 49.375,5.533 v1@49.375,15.639
  Bottom Copper w0.2: U5_Shift_DIAG_FAULT_OC.2@31.7,31.75 31.74,31.71 33.304,31.71 v1@49.375,15.639
  other v1: 49.475,15.639
1B1_Shift_TEMP_PWM: U5_Shift_TEMP_PWM.2
1B2_Shift_DIAG_FAULT_OC: IC2.2 U5_Shift_DIAG_FAULT_OC.3 | length 38.6
  Top Copper w0.2: IC2.2@45.738,4.1 47.3,4.1 48.8,5.6 v1(48.8,17.2)
  Bottom Copper w0.2: U5_Shift_DIAG_FAULT_OC.3@31.7,32.25 33.55,32.25 48.6,17.2 v1(48.8,17.2)
1B2_Shift_TEMP_PWM: U5_Shift_TEMP_PWM.3
1B3_Shift_DIAG_FAULT_OC: IC2.13 U5_Shift_DIAG_FAULT_OC.5 | length 40.1
  Top Copper w0.2: IC2.13@39.862,4.1 39.924,4.038 41.562,4.038 v1(41.6,4) ; v1(41.6,8.2) 46.2,12.8 46.2,13.2 v1(46.2,20.6)
  Bottom Copper w0.2: U5_Shift_DIAG_FAULT_OC.5@31.66,33.21 U5_Shift_DIAG_FAULT_OC.5@31.7,33.25 ; U5_Shift_DIAG_FAULT_OC.5@31.713,33.237 33.563,33.237 v1(46.2,20.6) ; v1(41.6,4) v1(41.6,8.2)
  Bottom Copper w0.254: U5_Shift_DIAG_FAULT_OC.5@31.7,33.25 U5_Shift_DIAG_FAULT_OC.5@31.713,33.237
1B3_Shift_TEMP_PWM: U4_RS4221.7 U5_Shift_TEMP_PWM.5 | length 40.8
  Top Copper w0.2: U4_RS4221.7@2.8,30 2.813,30.013 2.813,31.587 v1(2.8,31.6) ; v1(11.4,33.4) 12,33.4 14.387,35.788 15.674,35.788 17.886,38 v1(18.8,38)
  Bottom Copper w0.2: v1(2.8,31.6) 4.6,33.4 v1(11.4,33.4) ; v1(18.8,38) 20.6,38 22.757,40.157 24.043,40.157 25.6,41.714 25.6,46.8 26.273,47.473 28.359,47.473 30.076,49.19 31.64,49.19 U5_Shift_TEMP_PWM.5@31.7,49.25
1B4_Shift_DIAG_FAULT_OC: IC2.3 U5_Shift_DIAG_FAULT_OC.6 | length 39.1
  Top Copper w0.2: IC2.3@45.738,4.75 47.15,4.75 48.2,5.8 v1(48.2,19.6)
  Bottom Copper w0.2: U5_Shift_DIAG_FAULT_OC.6@31.7,33.75 34.05,33.75 v1(48.2,19.6)
1B4_Shift_TEMP_PWM: U4_RS4221.1 U5_Shift_TEMP_PWM.6 | length 46.6
  Top Copper w0.2: v1(10.4,28) 10.423,28.023 10.423,29.703 U4_RS4221.1@10.445,29.725
  Signal Layer 1 w0.254: v1(10.4,28) 10.4,26.924 13.324,24 16.4,24 18.214,25.815 20.014,25.815 21.793,27.593 21.793,42.993 23.185,44.385 24.31,44.385 25.314,45.39 25.314,47.686 v1(25.2,47.8)
  Bottom Copper w0.2: v1(25.2,47.8) 28.186,47.8 30.136,49.75 U5_Shift_TEMP_PWM.6@31.7,49.75
1B5_Shift_DIAG_FAULT_OC: IC2.4 U5_Shift_DIAG_FAULT_OC.8 | length 38.5
  Top Copper w0.2: IC2.4@45.738,5.4 45.863,5.525 46.967,5.525 47.507,6.065 v1@47.507,21.093
  Bottom Copper w0.2: U5_Shift_DIAG_FAULT_OC.8@31.7,34.75 33.85,34.75 v1@47.507,21.093
  other v1: 47.607,21.093
1B5_Shift_TEMP_PWM: U4_RS4222.15 U5_Shift_TEMP_PWM.8 | length 28.2
  Top Copper w0.254: U4_RS4222.15@9.175,48.275 9.175,49.575 9.388,49.788 v1@9.388,49.873
  Bottom Copper w0.254: v1@9.388,49.873 9.388,50.15 10.438,51.2 11.747,51.2 14.561,48.386 16.31,48.386 17.739,49.815 20.31,49.815 21.739,48.386 24.635,48.386 27.23,50.981 28.641,50.981 28.885,50.737 31.695,50.737 U5_Shift_TEMP_PWM.8@31.7,50.742
  other v1: 9.488,49.773
1B6_Shift_DIAG_FAULT_OC: IC2.5 U5_Shift_DIAG_FAULT_OC.9 | length 37.9
  Top Copper w0.2: IC2.5@45.738,6.05 45.863,6.175 46.6,6.175 46.953,6.528 46.953,22.353 v1@47,22.4
  Bottom Copper w0.2: U5_Shift_DIAG_FAULT_OC.9@31.7,35.25 34.15,35.25 v1@47,22.4
  other v1: 47.1,22.4
1B6_Shift_TEMP_PWM: U4_RS4222.9 U5_Shift_TEMP_PWM.9 | length 34
  Top Copper w0.254: U4_RS4222.9@1.555,48.275 1.578,48.298 1.578,49.977 v1(1.6,50)
  Bottom Copper w0.254: v1(1.6,50) 3.415,51.815 16.785,51.815 18.215,50.385 20.786,50.385 22.215,51.815 26.985,51.815 27.4,51.4 28.9,51.4 29.05,51.25 U5_Shift_TEMP_PWM.9@31.7,51.25
1B7_Shift_DIAG_FAULT_OC: IC3.1 U5_Shift_DIAG_FAULT_OC.11 | length 38.9
  Top Copper w0.2: IC3.1@36.138,8.85 38.45,8.85 41,11.4 v1(41,18.2)
  Bottom Copper w0.2: U5_Shift_DIAG_FAULT_OC.11@31.7,36.25 31.64,36.19 30.007,36.19 27.8,33.983 27.8,31.276 40.876,18.2 v1(41,18.2)
1B7_Shift_TEMP_PWM: U4_RS4222.7 U5_Shift_TEMP_PWM.11 | length 32.3
  Top Copper w0.254: v1(2.8,52.2) 2.8,53.7 U4_RS4222.7@2.825,53.725
  Bottom Copper w0.254: v1(2.8,52.2) 16.8,52.2 18.414,53.814 20.786,53.814 22.277,52.323 26.543,52.323 27.209,52.988 29.012,52.988 29.783,52.217 31.667,52.217 U5_Shift_TEMP_PWM.11@31.7,52.25
1B8_Shift_DIAG_FAULT_OC: IC3.2 U5_Shift_DIAG_FAULT_OC.12 | length 38.3
  Top Copper w0.2: IC3.2@36.138,9.5 36.263,9.625 38.183,9.625 40.4,11.842 v1(40.4,16.8)
  Bottom Copper w0.2: U5_Shift_DIAG_FAULT_OC.12@31.7,36.75 31.66,36.71 30.064,36.71 27.346,33.992 27.346,30.854 40.4,17.8 v1(40.4,16.8)
1B8_Shift_TEMP_PWM: U4_RS4222.1 U5_Shift_TEMP_PWM.12 | length 24.3
  Top Copper w0.254: U4_RS4222.1@10.445,53.725 v1(10.445,54.845)
  Bottom Copper w0.254: v1(10.445,54.845) 12.913,54.845 13.882,55.815 17.461,55.815 18.89,54.385 21.123,54.385 22.552,55.815 24.786,55.815 27.231,53.369 29.231,53.369 29.817,52.783 U5_Shift_TEMP_PWM.12@30.8,52.783
1DIR_Shift_DIAG_FAULT_OC: R17_Shift_DIAG_FAULT_OC.2 R21.2 R22.2 | length 5.9
  Top Copper w0.2: R17_Shift_DIAG_FAULT_OC.2@30.6,27.55 R21.2@30.6,23.85 R22.2@32.8,23.85
1DIR_Shift_TEMP_PWM: R17_Shift_TEMP_PWM.2 R25.2 R26.2 | length 10.8
  Top Copper w0.2: R25.2@29.8,49.95 R26.2@31.6,49.95 v1(31.6,45.6)
  Bottom Copper w0.2: R17_Shift_TEMP_PWM.2@27.35,46.4 27.35,46.35 28.1,45.6 v1(31.6,45.6)
2A1_Shift_DIAG_FAULT_OC: U5_Shift_DIAG_FAULT_OC.36 X2.66 | length 12.9
  Top Copper w0.2: X2.66@37.781,42.519 37.862,42.6 39.2,42.6 v1@44.4,37.4
  Top Copper w0.254: X2.66@37.7,42.6 X2.66@37.781,42.519
  Bottom Copper w0.2: U5_Shift_DIAG_FAULT_OC.36@40.633,37.25 42.125,37.25 42.329,37.046 44.046,37.046 v1@44.217,37.217
  Bottom Copper w0.254: v1@44.217,37.217 v1@44.4,37.4
  other v1: 44.3,37.4
2A1_Shift_TEMP_PWM: U5_Shift_TEMP_PWM.36 X2.17 | length 16.3
  Top Copper w0.2: X2.17@34.3,65 v1(35.6,65)
  Bottom Copper w0.2: v1(35.6,65) 35.6,64.335 35.192,63.927 35.192,56.794 38.696,53.29 40.26,53.29 U5_Shift_TEMP_PWM.36@40.3,53.25
2A2_Shift_DIAG_FAULT_OC: U5_Shift_DIAG_FAULT_OC.35 X2.74 | length 8.4
  Top Copper w0.2: X2.74@37.7,39.4 40.758,39.4 42.558,37.6 v1@42.8,37.6
  Bottom Copper w0.2: U5_Shift_DIAG_FAULT_OC.35@40.3,37.75 42.354,37.75 42.504,37.6 v1@42.8,37.6
  other v1: 42.6,37.7
2A2_Shift_TEMP_PWM: U5_Shift_TEMP_PWM.35 X2.18 | length 21.6
  Top Copper w0.2: X2.18@37.7,65 v1(40.8,65)
  Bottom Copper w0.2: U5_Shift_TEMP_PWM.35@40.3,53.75 44.35,53.75 44.954,54.354 44.954,54.737 45.4,55.183 45.4,61.8 42.2,65 v1(40.8,65)
2A3_Shift_DIAG_FAULT_OC: U5_Shift_DIAG_FAULT_OC.33 X2.42 | length 30
  Top Copper w0.2: X2.42@37.7,55.4 44.8,55.4 45.6,54.6 v1(45.65,54.6)
  Bottom Copper w0.2: U5_Shift_DIAG_FAULT_OC.33@40.3,38.75 42.263,38.75 42.49,38.523 45.11,38.523 46.281,39.694 46.281,53.336 45.65,53.967 v1(45.65,54.6)
2A3_Shift_TEMP_PWM: U5_Shift_TEMP_PWM.33 X2.21 | length 13.1
  Top Copper w0.2: X2.21@34.3,63.4 v1(35.8,63.4)
  Bottom Copper w0.2: v1(35.8,63.4) 35.8,62.535 35.646,62.381 35.646,57.84 38.696,54.79 40.26,54.79 U5_Shift_TEMP_PWM.33@40.3,54.75
2A4_Shift_DIAG_FAULT_OC: U5_Shift_DIAG_FAULT_OC.32 X2.50 | length 26.2
  Top Copper w0.2: X2.50@37.7,52.2 40.163,52.2 40.363,52 v1(45,52)
  Bottom Copper w0.2: U5_Shift_DIAG_FAULT_OC.32@40.3,39.25 42.226,39.25 42.626,38.85 44.974,38.85 45.954,39.83 45.954,51.029 45,51.983 v1(45,52)
2A4_Shift_TEMP_PWM: U5_Shift_TEMP_PWM.32 X2.22 | length 18.1
  Top Copper w0.2: X2.22@37.7,63.4 v1(42.6,63.4)
  Bottom Copper w0.2: U5_Shift_TEMP_PWM.32@40.3,55.25 42.526,55.25 42.626,55.15 43.774,55.15 44.873,56.249 44.873,61.127 v1(42.6,63.4)
2A5_Shift_DIAG_FAULT_OC: U5_Shift_DIAG_FAULT_OC.30 X2.37 | length 24.9
  Top Copper w0.2: X2.37@34.3,57 35.4,57 35.6,56.8 35.6,49.442 37.388,47.654 39.988,47.654 43.154,44.488 43.154,41.154 v1@43.077,41.077
  Bottom Copper w0.2: U5_Shift_DIAG_FAULT_OC.30@40.3,40.25 42.25,40.25 v1@43.077,41.077
  other v1: 43,40.9
2A5_Shift_TEMP_PWM: U5_Shift_TEMP_PWM.30 X2.25 | length 10.2
  Top Copper w0.2: X2.25@34.3,61.8 v1@36.2,61.8
  Bottom Copper w0.2: v1@36.2,61.8 36,61.6 36,58.986 38.696,56.29 40.26,56.29 U5_Shift_TEMP_PWM.30@40.3,56.25
  other v1: 36.3,61.8
2A6_Shift_DIAG_FAULT_OC: U5_Shift_DIAG_FAULT_OC.29 X2.33 | length 26.8
  Top Copper w0.2: X2.33@34.3,58.6 35,58.6 36.046,57.554 36.046,49.571 37.509,48.108 40.176,48.108 43.8,44.484 v1(43.8,41.6)
  Bottom Copper w0.2: U5_Shift_DIAG_FAULT_OC.29@40.3,40.75 40.354,40.804 42.021,40.804 42.848,41.631 43.769,41.631 v1(43.8,41.6)
2A6_Shift_TEMP_PWM: U5_Shift_TEMP_PWM.29 X2.26 | length 12.9
  Top Copper w0.2: X2.26@37.7,61.8 v1(41.2,61.8)
  Bottom Copper w0.2: U5_Shift_TEMP_PWM.29@40.3,56.75 42.55,56.75 43.4,57.6 43.4,61 42.6,61.8 v1(41.2,61.8)
2A7_Shift_DIAG_FAULT_OC: U5_Shift_DIAG_FAULT_OC.27 X2.29 | length 33.8
  Top Copper w0.2: v1(32,61.6) 33.4,60.2 X2.29@34.3,60.2 ; v1@37.6,48.8 40.126,48.8 44.4,44.526 v1(44.4,42.8)
  Signal Layer 1 w0.254: v1(32,61.6) 31.4,61 31.4,54.178 36.778,48.8 v1@37.6,48.8
  Bottom Copper w0.2: U5_Shift_DIAG_FAULT_OC.27@40.3,41.75 42.333,41.75 43.383,42.8 v1(44.4,42.8)
  other v1: 37.6,48.9
2A7_Shift_TEMP_PWM: U5_Shift_TEMP_PWM.27 X2.45 | length 21.3
  Top Copper w0.254: v1(32.2,59.6) 32.2,54.2 32.477,53.923 34.177,53.923 X2.45@34.3,53.8
  Signal Layer 1 w0.254: v1(32.2,59.6) 34.05,57.75 42.35,57.75 v1(42.6,58)
  Bottom Copper w0.254: U5_Shift_TEMP_PWM.27@40.3,57.75 42.31,57.75 42.56,58 v1(42.6,58)
2A8_Shift_DIAG_FAULT_OC: U5_Shift_DIAG_FAULT_OC.26 X2.41 | length 20.4
  Top Copper w0.2: X2.41@34.3,55.4 34.774,55.4 35.238,54.936 35.238,49.162 37.2,47.2 39.8,47.2 42.6,44.4 42.6,42.8
  Bottom Copper w0.2: U5_Shift_DIAG_FAULT_OC.26@40.3,42.25 42.05,42.25 42.6,42.8
  other v1: 42.4,42.65
2A8_Shift_TEMP_PWM: U5_Shift_TEMP_PWM.26
2B1_Shift_DIAG_FAULT_OC: IC3.13 U5_Shift_DIAG_FAULT_OC.13 | length 33
  Top Copper w0.254: v1(28.8,25) 28.8,36.365 v1@29.418,36.982 ; IC3.13@30.262,9.5 30.36,9.402 v1(31.798,9.402)
  Bottom Copper w0.254: v1(28.8,25) 28.8,12.4 v1(31.798,9.402) ; v1@29.418,36.982 29.435,37 29.848,37 30.065,37.217 31.667,37.217 U5_Shift_DIAG_FAULT_OC.13@31.7,37.25
  other v1: 29.318,36.882
2B1_Shift_TEMP_PWM: U3_TI_DS26C32AT#1.3 U5_Shift_TEMP_PWM.13 | length 38.8
  Top Copper w0.254: v1(7.8,64) 7.828,64.028 7.828,65.648 U3_TI_DS26C32AT#1.3@7.905,65.725
  Bottom Copper w0.254: v1(7.8,64) 30.6,64 34.2,60.4 34.2,54.148 33.315,53.263 31.713,53.263 U5_Shift_TEMP_PWM.13@31.7,53.25